# KiCad board 8851_HW-U1-VCU118_REV2-0_071417.kicad_pcb (continued)
## Routing (per net, layer and track width the routed paths; a pad name or vN(x,y) marks a point on that pad's centre or on a via; arc(x,y) is an arc through that point) (continued)
  14_SIG4 w0.138: 106.04,87.94 106.04,90.95 107.52,92.43 107.52,98.58 108.53,99.58 108.71,99.58 109.5,100.37 109.5,101.76 111.73,103.99 111.73,106.82 113.33,108.41 113.33,110.17 113.91,110.76 113.91,120.85 105.33,129.44 105.33,130.55 104.33,131.55 103.21,131.55 102.55,132.22 88.13,132.22 87.02,131.1 80.55,131.1 78.83,129.38 78.83,128.5 78.07,127.74 78.07,124.66 80.05,122.68 84.17,122.68 84.98,121.86 85.45,121.86
RLD3_C3_72B_DQ30: length 143.1
  TOP w0.15: U141.L6 v2(90.78,110.55) ; 96.2,75.14 v2(95.71,75.63)
  14_SIG4 w0.087: v2(95.71,75.63) 95.71,75.88 95.21,76.37 95.21,76.82 95.5,77.11 95.91,77.11 96.2,77.4 96.2,77.81 95.91,78.09 95.5,78.09 95.21,78.38 95.21,79.77 95.5,80.06 95.91,80.06 96.2,80.35 96.2,80.76 96.49,81.05 96.89,81.05 97.18,81.33 97.18,81.74 97.47,82.03 97.88,82.03 98.17,82.32 98.17,82.73 98.45,83.01 98.86,83.01 99.15,83.3 99.15,83.71 99.44,84 99.85,84 100.13,84.29 100.13,84.69 100.42,84.98 100.83,84.98 101.12,85.27 101.12,87.99 ; v2(90.78,110.55) 90.67,110.55 90.58,110.65 90.58,110.91 90.72,111.06 90.99,111.06 91.2,111.27 91.38,111.27 91.52,111.13 91.52,110.92 91.26,110.66 91.26,110.21 91.41,110.06 92.28,110.06 92.83,109.52 92.83,109.05 92.97,108.9 93.1,108.9 93.19,108.81 93.19,108.66 93.08,108.55 92.95,108.55 92.83,108.42 92.83,108.23 92.96,108.09 99.83,108.09 100.15,108.41 100.15,108.88 100.5,109.22
  14_SIG4 w0.138: 100.5,109.22 100.87,109.59 100.87,112.24 101.13,112.5 101.13,112.99 100.87,113.25 100.87,113.58 101.23,113.95 101.23,114.33 100.87,114.7 100.87,119.01 100.79,119.09 100.79,121.61 100.58,121.83 100.58,122.84 100.36,123.06 99.27,123.06 98.9,122.69 98.39,122.69 98.14,122.95 97.84,122.95 97.59,122.69 97.29,122.69 97.04,122.95 96.74,122.95 96.49,122.69 96.19,122.69 95.94,122.95 95.64,122.95 95.39,122.69 95.07,122.69 94.13,123.63 92.31,123.63 92.14,123.8 92.14,123.98 92.5,124.34 92.5,124.57 92.3,124.77 92.12,124.77 91.82,124.47 91.56,124.47 91.4,124.63 91.4,124.92 91.68,125.21 91.68,125.53 91.47,125.75 91.01,125.75 90.83,125.57 90.83,124.57 90.71,124.44 88.71,124.44 88.21,124.94 88.21,125.49 88.47,125.75 88.9,125.75 89.04,125.61 89.04,125.06 89.18,124.92 89.45,124.92 89.59,125.06 89.59,125.61 89.73,125.75 90.11,125.75 90.25,125.89 90.25,128.95 90.82,129.52 91.35,129.52 91.49,129.38 91.49,128.35 91.62,128.22 91.9,128.22 92.04,128.36 92.04,128.68 92.18,128.82 92.45,128.82 92.59,128.68 92.59,128.13 92.72,128 93,128 93.14,128.14 93.14,128.68 93.28,128.82 93.55,128.82 93.69,128.68 93.69,128.34 93.83,128.2 94.11,128.2 94.24,128.33 94.24,128.68 94.38,128.82 94.65,128.82 94.79,128.68 94.79,128.16 94.93,128.02 95.2,128.02 95.34,128.16 95.34,128.68 95.48,128.82 95.75,128.82 95.89,128.68 95.89,128.58 96.03,128.45 96.3,128.45 96.44,128.58 96.44,128.68 96.58,128.82 96.85,128.82 97.6,128.06 98.02,128.06 98.42,128.46 99.3,128.46 99.74,128.02 100.37,128.02 100.81,128.46 102.69,128.46 110.17,120.97 110.17,111.92 109.32,111.07 109.32,108.77 106.96,106.41 106.96,104.63 104.84,102.5 104.84,101.42 104.11,100.7 103.71,100.7 103.45,100.96 103.33,100.96 103.03,100.66 103.03,100.44 103.45,100.02 103.45,99.47 101.84,97.86 101.84,97.61 103.08,96.36 103.08,95.53 104.52,94.09 104.52,92.96 102.99,91.44 102.99,89.86 101.12,87.99
RLD3_C3_72B_DQ31: length 140.9
  TOP w0.15: U141.L4 v2(88.81,110.55) ; 95.21,77.11 v2(94.72,77.6)
  14_SIG4 w0.087: 92.42,106.75 91.08,108.09 90.56,108.09 90.28,108.38 90.28,109.77 89.99,110.06 88.59,110.06 88.32,110.33 88.32,110.84 88.47,111 88.71,111 88.81,110.9 v2(88.81,110.55) ; v2(94.72,77.6) 94.43,77.6 93.94,78.09 93.53,78.09 93,78.63 93,80.51 93.53,81.05 93.94,81.05 94.23,81.33 94.23,81.74 94.52,82.03 94.93,82.03 95.21,82.32 95.21,82.73 95.5,83.01 95.91,83.01 96.2,83.3 96.2,83.71 96.49,84 96.89,84 97.18,84.29 97.18,84.8 97.36,84.97 97.92,84.97 98.19,85.23 98.19,86.79 98,86.97 97.35,86.97 97.18,87.14 97.18,87.61 97.48,87.91 98.09,87.91
  14_SIG4 w0.138: 98.09,87.91 100.44,90.26 100.85,90.26 101.12,90.53 101.12,92.11 102.29,93.29 102.29,93.93 101.39,94.83 101.39,95.61 100.96,96.05 99.82,96.05 99.31,96.56 98.01,96.56 97.11,95.66 96.84,95.66 96.67,95.83 96.67,96.07 96.82,96.22 96.82,96.45 96.66,96.62 96.42,96.62 96.16,96.36 95.89,96.36 95.67,96.57 95.67,96.79 95.84,96.96 95.84,97.2 95.7,97.34 94.92,97.34 94.62,97.64 94.62,98.2 94.76,98.34 95.15,98.34 95.31,98.18 96.53,98.18 96.7,98.36 96.7,98.6 96.49,98.81 95.55,98.81 95.27,99.09 95.27,99.26 95.65,99.65 96.85,99.65 96.98,99.52 96.98,98.99 97.16,98.8 97.54,98.8 97.73,98.99 97.73,99.33 97.91,99.51 98.36,99.51 98.77,99.92 98.77,100.44 99.05,100.73 99.85,100.73 100.06,100.94 100.39,101.27 101.18,101.27 105.01,105.11 105.01,105.64 104.6,106.04 104.6,106.48 107.07,108.95 107.07,109.33 106.96,109.43 106.69,109.43 106.55,109.57 106.55,110.36 106.69,110.5 107.02,110.5 107.15,110.63 107.15,110.94 107.02,111.07 106.08,111.07 105.94,111.21 105.94,111.52 106.15,111.73 107.48,111.73 107.66,111.91 107.66,112.29 107.47,112.48 107.15,112.48 106.97,112.66 106.97,113.04 107.16,113.23 108.29,113.23 108.47,113.42 108.47,113.79 108.29,113.98 107.14,113.98 106.94,114.18 106.94,114.56 107.11,114.73 108.29,114.73 108.47,114.92 108.47,115.29 108.29,115.48 107.19,115.48 106.97,115.7 106.97,116.08 107.11,116.23 108.29,116.23 108.47,116.42 108.47,116.79 108.29,116.98 107.16,116.98 106.97,117.17 106.97,117.54 107.16,117.73 108.29,117.73 108.47,117.92 108.47,118.29 108.29,118.47 107.3,118.47 107.11,118.66 107.11,119.04 107.3,119.22 108.29,119.22 108.47,119.41 108.47,120.02 108.21,120.29 108.01,120.29 107.57,119.85 107.31,119.85 107.14,120.02 107.14,120.74 106.93,120.95 106.93,121.14 107.21,121.43 107.21,121.62 107.01,121.82 106.82,121.82 106.54,121.53 106.34,121.53 106.15,121.73 106.15,121.92 106.43,122.21 106.43,122.4 106.24,122.59 106.04,122.59 105.76,122.31 105.56,122.31 105.2,122.67 105.2,123.65 105,123.85 104.81,123.85 104.64,123.68 104.45,123.68 104.25,123.87 104.25,124.07 104.42,124.23 104.42,124.43 104.21,124.64 104.02,124.64 103.83,124.46 103.57,124.46 103.4,124.62 103.4,124.88 103.59,125.06 103.59,125.26 103.5,125.35 102.93,125.35 102.38,124.8 102.38,124.39 101.95,123.96 101.95,123.76 102.89,122.82 102.89,122.28 103.16,122.01 103.16,120.84 104.32,119.68 104.32,115.61 104.28,115.56 104.28,108.71 100.41,104.85 97.75,104.85 97.45,105.16 97.45,105.68 97.21,105.92 96.5,105.92 96.11,105.53 95.5,105.53 94.98,106.05 93.12,106.05 92.42,106.75
RLD3_C3_72B_DQ32: length 141
  TOP w0.15: 95.21,78.09 v2(94.72,78.59) ; U141.L2 v2(86.84,110.55)
  14_SIG4 w0.087: v2(86.84,110.55) 86.84,110.82 86.35,111.31 86.35,112.83 86.54,113.02 87.18,113.02 87.33,112.88 87.33,111.15 87.43,111.04 88.03,111.04 88.31,111.33 88.31,111.76 88.59,112.03 89.01,112.03 89.3,111.75 89.3,111.13 89.39,111.04 90,111.04 90.28,110.76 90.28,110.3 90.51,110.06 90.98,110.06 91.27,109.77 91.27,109.37 91.56,109.08 92.02,109.08 92.47,108.62 92.47,108.16 93.55,107.09 ; v2(94.72,78.59) 94.72,78.87 94.23,79.37 94.23,79.77 94.52,80.06 94.93,80.06 95.21,80.35 95.21,80.76 95.5,81.05 95.91,81.05 96.2,81.33 96.2,81.74 96.49,82.03 96.89,82.03 97.18,82.32 97.18,82.73 97.47,83.01 97.88,83.01 98.17,83.3 98.17,83.71 98.45,84 98.86,84 99.15,84.29 99.15,84.69 99.44,84.98 99.85,84.98 100.13,85.27 100.13,87.75
  14_SIG4 w0.138: 100.13,87.75 102.37,89.99 102.37,91.74 103.68,93.06 103.68,94.13 102.52,95.29 102.52,96.13 101.45,97.2 100.66,97.2 100.39,97.47 100.39,97.98 100.68,98.27 101.19,98.27 101.86,98.94 101.86,100.37 106.39,104.89 106.39,106.66 108.68,108.95 108.68,111.25 109.61,112.19 109.61,120.73 103.37,126.97 102.9,126.97 101.95,126.02 100.78,126.02 100.4,126.4 100.03,126.4 99.65,126.02 98.15,126.02 97.78,126.4 97.45,126.4 97.08,126.02 94.62,126.02 94.35,125.75 93.59,125.75 93.31,126.03 92.39,126.03 92.25,125.88 92.25,125.58 92.74,125.09 92.93,125.09 93.23,125.39 93.41,125.39 93.7,125.1 93.7,124.89 93.42,124.6 93.42,124.41 93.6,124.23 94.3,124.23 94.97,123.55 97.25,123.55 97.72,124.02 98.32,124.02 98.69,123.65 100.53,123.65 101.7,122.48 101.7,122.03 101.36,121.68 101.36,119.44 101.72,119.07 102.89,119.07 102.91,119.04 102.92,119.04 103.19,118.77 103.19,118.34 102.83,117.97 101.62,117.97 101.45,117.8 101.45,117.37 101.62,117.2 101.62,116.45 101.44,116.27 101.44,115.46 101.6,115.3 102.05,115.3 102.26,115.09 102.26,112.25 101.43,111.42 101.43,109.76 101.6,109.6 102.21,109.6 102.38,109.43 102.38,109.2 102.21,109.03 101.12,109.03 100.96,108.87 100.96,108.64 101.12,108.47 101.79,108.47 101.95,108.31 101.95,108.07 101.79,107.91 101.6,107.91 101.43,107.74 101.43,107.6 101.3,107.48 101.07,107.48 100.55,107.99 100.32,107.99 100.15,107.83 100.15,107.6 100.67,107.08 100.67,106.85 100.31,106.48 99.56,106.48 98.95,107.09 98.08,107.09 97.95,107.22 97.95,107.58 97.8,107.72 97.57,107.72 97.45,107.6 97.45,107.12 97.33,107 97.08,107 96.95,107.12 96.95,107.6 96.83,107.72 96.58,107.72 96.46,107.6 96.46,107.12 96.33,107 96.08,107 95.96,107.12 95.96,107.6 95.84,107.72 95.58,107.72 95.46,107.6 95.46,107.12 95.34,107 95.09,107 94.96,107.12 94.96,107.6 94.84,107.72 94.34,107.72 94.24,107.62 94.24,107.38 93.95,107.09 93.55,107.09
RLD3_C3_72B_DQ33: length 140.2
  TOP w0.15: U141.M5 v2(89.79,109.57) ; 95.21,76.12 v2(94.72,76.62)
  14_SIG4 w0.087: 93.13,82.65 93.52,83.03 93.98,83.03 94.24,83.3 94.24,83.73 94.5,84 94.93,84 95.21,84.27 95.22,84.27 95.22,85.86 95.37,86 95.81,86 96.1,86.29 96.1,86.62 95.84,86.89 94.8,86.89 ; 88.54,106.75 87.96,106.75 87.29,107.42 86.65,107.42 86.45,107.62 86.45,107.85 86.33,107.97 86.14,107.97 86.04,107.87 86.04,107.61 85.86,107.42 85.71,107.42 85.38,107.75 85.38,108.94 85.52,109.09 86.16,109.09 86.35,109.28 86.35,109.8 86.1,110.06 85.54,110.06 85.36,110.23 85.36,110.85 85.55,111.04 86.16,111.04 86.35,110.85 86.35,110.34 86.64,110.06 88.16,110.06 88.33,109.9 88.33,108.37 88.61,108.09 89.01,108.09 89.3,108.38 89.3,108.95 89.41,109.06 89.71,109.06 89.79,109.14 v2(89.79,109.57) ; 93.23,75.14 94.98,75.14 95.2,75.36 95.2,75.82 94.92,76.1 94.3,76.1 94.23,76.17 94.23,76.48 94.37,76.62 v2(94.72,76.62)
  14_SIG4 w0.138: 93.23,75.14 93.13,75.03 93.13,74.81 93.04,74.72 92.79,74.72 92.66,74.85 92.66,75.04 92.56,75.14 92.35,75.14 92.19,75.3 92.19,75.9 92.3,76.02 92.66,76.02 92.79,76.14 92.79,76.39 92.66,76.51 92.3,76.51 92.18,76.63 92.18,76.87 92.3,77 92.66,77 92.79,77.12 92.79,77.41 92.64,77.55 92.3,77.55 92.14,77.72 92.14,81.66 92.61,82.13 92.78,82.13 92.86,82.05 93.03,82.05 93.2,82.22 93.2,82.4 93.13,82.47 93.13,82.65 ; 88.54,106.75 89.4,105.89 89.4,105.51 89.73,105.18 90.09,105.18 90.26,105.02 90.26,104.93 90.42,104.77 90.65,104.77 90.82,104.93 90.82,105.02 90.98,105.18 91.84,105.18 92.11,104.91 92.11,104.63 91.96,104.49 91.96,104.32 92.33,103.94 92.52,103.94 92.76,104.18 92.98,104.18 93.44,103.72 100.88,103.72 102.24,105.08 102.51,105.08 102.81,104.78 102.81,104.5 101.24,102.92 100.85,102.92 100.66,102.74 100.66,102.6 100.48,102.42 100.1,102.42 99.91,102.6 99.91,102.91 99.75,103.08 99.37,103.08 99.16,102.87 99.16,102.06 98.99,101.89 98.62,101.89 98.41,102.09 98.41,102.89 98.23,103.08 97.85,103.08 97.66,102.89 97.66,101.51 97.48,101.33 97.11,101.33 96.91,101.52 96.91,102.9 96.73,103.09 96.35,103.09 96.16,102.9 96.16,101.72 96.02,101.57 95.64,101.57 95.41,101.8 95.41,102.93 95.24,103.11 94.86,103.11 94.66,102.91 94.66,102.25 94.49,102.08 94.12,102.08 93.91,102.28 93.91,102.89 93.78,103.02 92.32,103.02 92.16,102.86 92.16,102.47 92.33,102.29 93.28,102.29 93.41,102.16 93.41,101.77 93.21,101.57 92.53,101.57 92.44,101.48 92.44,100.94 92.58,100.81 93.39,100.81 93.61,100.59 93.61,99.79 93.46,99.64 92.94,99.64 92.77,99.47 92.77,99.1 92.98,98.89 93.29,98.89 93.47,98.7 93.47,96.99 95.42,95.04 95.42,94.41 95.59,94.25 99.74,94.25 99.91,94.08 99.91,93.85 99.74,93.69 95.59,93.69 95.42,93.52 95.42,93.29 95.59,93.12 99.74,93.12 99.91,92.96 99.91,92.73 99.74,92.56 95.59,92.56 95.42,92.4 95.42,92.16 95.59,92 99.74,92 99.91,91.83 99.91,91.6 99.74,91.44 99.22,91.44 99.05,91.27 99.05,90.51 98.89,90.35 98.66,90.35 98.49,90.51 98.49,91.27 98.33,91.44 98.09,91.44 97.93,91.27 97.93,90.3 97.73,90.11 97.5,90.11 97.37,90.24 97.37,91.27 97.2,91.44 96.97,91.44 96.8,91.27 96.8,89.33 96.57,89.09 96.33,89.09 96.17,89.26 96.17,91.34 96.08,91.44 95.59,91.44 95.42,91.27 95.42,89.2 95.21,88.99 94.85,88.99 94.7,88.84 94.7,88.59 94.8,88.5 96.08,88.5 96.21,88.37 96.21,88.01 96.11,87.91 95.41,87.91 95.3,87.8 95.3,87.66 95.19,87.55 95.04,87.55 94.93,87.66 94.93,87.8 94.82,87.91 94.65,87.91 94.53,87.79 94.53,87.16 94.8,86.89
RLD3_C3_72B_DQ34: length 140.1
  TOP w0.15: 94.23,77.11 v2(93.74,77.6) ; U141.M3 v2(87.82,109.57)
  14_SIG4 w0.087: v2(87.82,109.57) 87.82,109.32 87.59,109.09 86.63,109.09 86.35,108.81 86.35,108.37 86.62,108.09 88.2,108.09 88.32,107.97 88.32,107.36 88.6,107.08 89.15,107.08 89.3,107.22 89.3,107.97 89.42,108.09 90,108.09 90.28,107.81 90.28,107.16 90.19,107.08 89.72,107.08 89.6,106.95 89.6,106.75 ; 93.18,81.77 93.42,82 94.01,82 94.26,82.25 94.26,82.87 94.41,83.03 94.92,83.03 95.22,83.32 95.22,83.8 95.43,84.01 96.03,84.01 96.19,84.18 96.19,84.83 96.35,84.98 96.93,84.98 97.2,85.25 97.2,86.69 96.95,86.94 96.36,86.94 96.19,87.1 96.19,87.59 96.58,87.97 96.75,87.97
  14_SIG4 w0.138: v2(93.74,77.6) 93.3,77.6 92.65,78.25 92.65,81.24 92.77,81.35 92.92,81.35 93.07,81.21 93.22,81.21 93.33,81.31 93.33,81.47 93.18,81.61 93.18,81.77 ; 96.75,87.97 96.85,88.08 96.85,88.25 96.63,88.48 96.63,88.65 96.8,88.82 96.98,88.82 97.62,88.18 97.8,88.18 97.97,88.35 97.97,88.52 97.28,89.21 97.28,89.38 97.46,89.56 97.63,89.56 98.32,88.87 98.49,88.87 98.6,88.98 98.6,89.14 98.14,89.6 98.14,89.75 98.25,89.86 98.4,89.86 98.86,89.4 99.01,89.4 99.14,89.52 99.14,89.76 99.78,90.41 99.78,90.7 100.04,90.95 100.33,90.95 100.55,91.18 100.55,92.35 100.76,92.56 100.76,92.79 100.46,93.09 100.46,93.39 100.63,93.56 100.79,93.56 101.16,93.19 101.39,93.19 101.73,93.52 101.73,93.7 100.83,94.6 100.83,95.38 100.72,95.49 99.91,95.49 99.74,95.33 99.74,95.02 99.58,94.85 99.34,94.85 99.18,95.02 99.18,95.82 99.03,95.97 98.8,95.97 98.62,95.79 98.62,95.02 98.45,94.85 98.22,94.85 98.05,95.02 98.05,95.33 97.89,95.49 97.74,95.49 97.34,95.09 96.35,95.09 94.05,97.39 94.05,99.06 94.26,99.27 94.56,99.27 94.72,99.43 94.72,100.6 94.26,101.07 94.26,101.37 94.39,101.5 94.91,101.5 95.65,100.76 98.26,100.76 98.8,101.29 99.61,101.29 100.16,101.84 100.94,101.84 103.58,104.47 103.58,104.66 103.39,104.84 103.39,105.08 103.55,105.24 103.79,105.24 103.97,105.05 104.16,105.05 104.32,105.21 104.32,105.43 103.7,106.06 103.7,106.4 105.97,108.67 105.97,110.14 105.43,110.68 105.43,112.16 105.65,112.38 106.14,112.38 106.38,112.62 106.38,112.83 106.22,112.99 105.59,112.99 105.42,113.16 105.42,113.39 105.59,113.56 106.1,113.56 106.38,113.84 106.38,118.3 106.24,118.44 105.81,118.44 105.67,118.57 105.67,118.85 105.81,118.99 106.24,118.99 106.38,119.12 106.38,119.4 106.24,119.54 105.81,119.54 105.67,119.67 105.67,119.95 105.81,120.09 106.44,120.09 106.53,120.17 106.53,120.55 106.33,120.75 105.1,120.75 104.47,121.38 104.47,122.67 104.27,122.88 104.27,123.08 103.44,123.91 103.08,123.91 102.93,123.77 102.93,123.57 103.45,123.06 103.45,122.55 103.73,122.28 103.73,121.07 104.99,119.8 104.99,118.11 105.18,117.92 105.54,117.92 105.72,117.74 105.72,117.54 105.54,117.35 105.2,117.35 104.99,117.14 104.99,116.61 105.18,116.42 105.54,116.42 105.72,116.24 105.72,115.86 105.54,115.67 105.18,115.67 104.84,115.33 104.84,108.48 100.65,104.29 97.19,104.29 97.06,104.42 97.06,104.74 96.85,104.95 96.49,104.95 96.33,104.79 96.33,104.46 96.16,104.3 95.93,104.3 95.77,104.46 95.77,104.79 95.6,104.95 95.37,104.95 95.2,104.79 95.2,104.46 95.04,104.3 94.81,104.3 94.64,104.46 94.64,104.79 94.48,104.95 94.24,104.95 94.08,104.79 94.08,104.46 93.91,104.3 93.68,104.3 93.52,104.46 93.52,104.79 93.43,104.87 93.01,104.87 92.41,105.47 92.41,105.97 92.1,106.27 91.79,106.27 91.61,106.46 91.61,106.96 91.44,107.12 90.97,107.12 90.86,107.01 90.86,106.46 90.67,106.27 89.85,106.27 89.6,106.52 89.6,106.75
RLD3_C3_72B_DQ35: length 141.8
  TOP w0.15: U141.N6 v2(90.78,108.58) ; 94.23,75.14 v2(93.74,75.63)
  14_SIG4 w0.087: v2(93.74,75.63) 93.57,75.46 93.21,75.46 93.12,75.55 93.12,77.01 93.22,77.11 95.12,77.11 95.21,77.2 95.21,78.01 95.13,78.09 94.36,78.09 94.23,78.22 94.23,78.95 94.11,79.08 93.53,79.08 93.25,79.37 93.25,79.77 93.53,80.06 93.94,80.06 94.23,80.35 94.23,80.76 94.52,81.05 94.93,81.05 95.21,81.33 95.21,81.76 95.48,82.03 95.91,82.03 96.2,82.32 96.2,82.73 96.49,83.01 96.89,83.01 97.18,83.3 97.18,83.71 97.47,84 97.88,84 98.17,84.29 98.17,84.69 98.45,84.98 98.86,84.98 99.15,85.27 99.15,87.65 ; 95.38,106.62 93.53,106.62 92.1,108.05 91.58,108.05 91.04,108.58 v2(90.78,108.58)
  14_SIG4 w0.138: 99.15,87.65 98.88,87.92 98.88,88.22 99.14,88.47 99.32,88.47 99.75,88.04 99.93,88.04 100.21,88.32 100.21,88.82 101.68,90.29 101.68,91.88 102.85,93.06 102.85,94.17 101.96,95.06 101.96,95.85 101.19,96.62 100.14,96.62 99.62,97.13 97.74,97.13 97.47,96.86 97.33,96.86 97.04,97.15 97.04,97.34 97.42,97.73 97.42,98.04 97.61,98.22 98.41,98.22 98.58,98.39 98.58,98.89 98.74,99.05 98.98,99.05 99.14,98.89 99.14,98.39 99.31,98.22 99.62,98.22 100.24,98.85 100.98,98.85 101.16,99.04 101.16,99.41 100.98,99.6 100.63,99.6 100.39,99.84 100.39,100.48 100.62,100.71 101.41,100.71 105.8,105.1 105.8,105.7 105.39,106.11 105.39,106.47 107.67,108.75 107.67,111.1 109.05,112.47 109.05,120.53 103.55,126.02 102.88,126.02 101.81,124.96 101.81,124.71 101.6,124.5 101.4,124.5 101.26,124.64 101.26,125.34 101.13,125.48 100.85,125.48 100.71,125.34 100.71,124.91 100.55,124.75 100.3,124.75 100.16,124.89 100.16,125.34 100.03,125.48 99.75,125.48 99.61,125.34 99.61,124.91 99.45,124.75 99.2,124.75 99.06,124.89 99.06,125.34 98.93,125.48 98.65,125.48 98.51,125.34 98.51,125.16 98.38,125.02 98.1,125.02 97.96,125.16 97.96,125.34 97.83,125.48 97.09,125.48 96.96,125.35 96.96,124.85 96.84,124.73 96.56,124.73 96.41,124.88 96.41,125.29 96.24,125.45 95.48,125.45 95.38,125.35 95.38,125 96.32,124.07 97.04,124.07 97.51,124.54 98.58,124.54 98.91,124.21 100.71,124.21 101.79,123.13 101.79,123.13 102.33,122.59 102.33,121.62 102.55,121.4 102.55,119.89 102.77,119.67 103.45,119.67 103.76,119.37 103.76,117.77 103.56,117.58 103.28,117.58 102.97,117.27 102.97,117.12 103.14,116.96 103.54,116.96 103.7,116.8 103.7,116.56 103.54,116.4 103.14,116.4 102.97,116.23 102.97,116 103.14,115.84 103.54,115.84 103.7,115.67 103.7,115.44 103.54,115.27 103.14,115.27 102.97,115.11 102.97,114.88 103.14,114.71 103.54,114.71 103.7,114.55 103.7,114.31 103.54,114.15 103.14,114.15 102.97,113.98 102.97,113.75 103.14,113.59 103.54,113.59 103.7,113.42 103.7,113.19 103.54,113.02 103.14,113.02 102.97,112.86 102.97,112.62 103.14,112.46 103.54,112.46 103.7,112.3 103.7,112.06 103.54,111.9 103.14,111.9 102.97,111.73 102.97,111.5 103.14,111.34 103.54,111.34 103.7,111.17 103.7,110.94 103.54,110.77 102.21,110.77 102.03,110.58 102.03,110.35 102.16,110.21 103.54,110.21 103.7,110.05 103.7,109.81 103.54,109.65 103.14,109.65 102.97,109.48 102.97,108.21 100.18,105.41 99.46,105.41 98.37,106.5 95.5,106.5 95.38,106.62
RLD3_C3_72B_DQ36: length 122
  TOP w0.15: 108.99,65.3 v2(108.5,65.79) ; 77.58,110.89 v2(78.07,110.4)
  14_SIG4 w0.087: v2(108.5,65.79) 108.01,66.28 107.31,66.28 107.02,65.99 107.02,65.4 106.04,64.42 106.04,63.62 105.75,63.33 99.45,63.33 99.15,63.62 99.15,64.17 98.95,64.38 93.62,64.38 92.9,63.66 ; v2(78.07,110.4) 77.72,110.4 77.58,110.27 77.58,109.21 77.29,108.92 76.89,108.92 76.6,108.63 76.6,107.13 76.57,107.1
  14_SIG4 w0.138: 76.57,107.1 76.57,107.09 75.14,105.66 74.15,105.66 73.99,105.5 73.99,103.24 74.28,102.95 74.79,102.95 74.96,102.77 74.96,101.86 74.73,101.62 74.35,101.62 74.12,101.4 74.12,100.83 74.67,100.28 75.03,100.28 75.03,100.28 75.88,100.28 76.55,99.62 76.55,98.47 76.88,98.15 80.19,98.15 80.88,97.46 80.88,94.15 80.35,93.62 77.44,93.62 77.26,93.44 77.26,93.19 77.07,93 76.69,93 76.51,93.19 76.51,93.44 76.32,93.62 75.94,93.62 75.76,93.44 75.76,93.19 75.57,93 75.19,93 75.01,93.19 75.01,93.44 74.82,93.62 73.92,93.62 73.12,92.83 73.12,89.58 71.6,88.05 68.4,88.05 68.03,87.67 68.03,86.91 68.21,86.72 68.82,86.72 69.01,86.53 69.01,86.16 68.82,85.97 68.21,85.97 68.03,85.78 68.03,84.52 68.28,84.27 70.38,84.27 70.79,83.86 70.79,79.88 71.07,79.6 72.42,79.6 73.16,78.87 73.16,75.78 72.15,74.77 68.42,74.77 68.17,74.52 68.17,72.22 68.46,71.94 70.19,71.94 71.75,70.38 80.47,70.38 80.94,69.91 80.94,66.89 81.26,66.57 81.95,66.57 82.92,65.6 82.92,64.63 83.42,64.12 84.34,64.12 86.03,62.43 88.38,62.43 89.54,63.6 92.84,63.6 92.9,63.66
RLD3_C3_72B_DQ37: length 121.6
  TOP w0.15: 108.01,65.3 v2(107.52,65.79) ; 76.6,111.88 v2(77.09,111.38)
  14_SIG4 w0.087: 92.9,62.9 93.33,63.33 98.88,63.33 99.15,63.05 99.15,62.6 99.4,62.35 105.75,62.35 106.04,62.63 106.04,63.04 106.03,63.05 106.3,63.33 106.74,63.33 107.02,63.62 107.02,64.35 107.52,64.84 v2(107.52,65.79) ; 75.61,107.1 75.62,107.11 75.62,108.23 75.61,108.63 75.9,108.92 76.31,108.92 76.6,109.21 76.6,109.62 76.6,109.62 76.6,110.6 77.09,111.1 v2(77.09,111.38)
  14_SIG4 w0.138: 92.9,62.9 89.97,62.9 88.82,61.75 85.75,61.75 84.58,62.91 82.94,62.91 82.22,63.62 82.22,65.08 81.88,65.42 81.33,65.42 80.3,66.45 80.3,69.5 80.05,69.75 71.35,69.75 70.35,70.75 67.83,70.75 67.38,71.2 67.38,75.15 67.7,75.47 71.97,75.47 72.45,75.95 72.45,78.83 72.25,79.02 70.33,79.02 70.17,79.18 70.17,79.38 69.99,79.57 69.56,79.57 69.37,79.76 69.37,80.13 69.56,80.32 69.99,80.32 70.17,80.51 70.17,83.45 69.88,83.75 67.88,83.75 67.38,84.25 67.38,88.25 67.78,88.65 71.33,88.65 72.58,89.9 72.58,93.17 73.67,94.27 80.04,94.27 80.3,94.54 80.3,97.25 80,97.55 76.27,97.55 75.85,97.97 75.85,99.02 75.39,99.49 74.16,99.49 73.41,100.24 73.41,105.7 73.42,105.71 73.42,105.73 73.92,106.22 74.73,106.22 75.61,107.1
RLD3_C3_72B_DQ38: length 118.3
  TOP w0.15: v2(107.52,68.74) 108.01,68.25 ; 78.57,113.85 v2(79.06,113.35)
  14_SIG4 w0.087: v2(79.06,113.35) 79.54,113.84 82.28,113.84 ; v2(107.52,68.74) 107.52,69.04 108,69.52 108,69.95 108.26,70.2 110.68,70.2 110.98,69.9 110.98,69.37 111.13,69.22 111.81,69.22 111.95,69.07 111.95,65.4 111.8,65.25 111.37,65.25 111.23,65.11 111.23,64.86 111.33,64.76 111.8,64.76 111.93,64.64 111.93,60.55 112.09,60.38 113.7,60.38 113.9,60.58 113.9,64.22 113.73,64.39 113.52,64.39 113.41,64.51 113.41,64.8 113.3,64.9 113.15,64.9 113.04,64.8 113.04,64.41 112.92,64.29 112.46,64.29 112.37,64.39 112.37,65.2 112.47,65.31 113.72,65.31 113.9,65.49 113.9,66.09 113.72,66.27 113.11,66.27 112.94,66.44 112.94,67.03 113.17,67.26 113.77,67.26 113.9,67.39 113.9,68.11 113.75,68.26 113.11,68.26 112.94,68.42 112.94,69.11 113.05,69.22 113.75,69.22 113.9,69.37 113.9,70 113.69,70.2 111.26,70.2 110.94,70.52 110.94,70.91 110.94,70.91 110.94,70.92 110.65,71.21 107.3,71.21 107,70.91 107,70.39 106.85,70.24 104.38,70.24 104.06,69.92 104.06,69.51 103.81,69.26 103.78,69.26 103.78,69.26 103.43,69.26 103.09,68.92 103.09,68.57 102.77,68.25 101.35,68.25 101.12,68.48 101.12,69.02 100.9,69.24 100.42,69.24 100.13,69.52 100.13,69.97 99.89,70.22 92.96,70.22 92.9,70.16
  14_SIG4 w0.138: 92.9,70.16 91.97,69.24 90.07,69.24 88.94,70.36 88.64,70.36 88.28,70.73 88.28,89.55 90.88,92.16 90.88,94.85 88.47,97.25 88.47,98 89.23,98.76 89.23,99.07 88.43,99.87 88.43,101.47 83.3,106.6 83.3,107.13 83.02,107.4 83.02,113.48 82.66,113.84 82.28,113.84
RLD3_C3_72B_DQ39: length 118.2
  TOP w0.15: 78.57,111.88 v2(79.06,111.38) ; v2(106.53,68.74) 107.02,68.25
  14_SIG4 w0.087: v2(106.53,68.74) 106.08,68.74 106.02,68.81 106.02,69.17 106.1,69.25 106.94,69.25 107.05,69.14 107.05,68.41 106.89,68.25 104.19,68.25 104.07,68.13 104.07,67.49 103.85,67.27 103.32,67.27 103.09,67.03 103.09,66.48 102.89,66.28 101.35,66.28 101.1,66.53 101.1,67.03 100.85,67.28 100.35,67.28 100.12,67.5 100.12,68 99.88,68.25 92.9,68.25 ; 81.52,107.1 81.52,110.77 81.4,110.89 80.65,110.89 80.52,111.01 80.52,111.74 80.38,111.88 79.74,111.88 79.56,111.71 79.56,111.49 79.46,111.38 v2(79.06,111.38)
  14_SIG4 w0.138: 92.9,68.25 92.82,68.25 91.84,67.27 90.36,67.27 88.46,69.17 86.13,69.17 85.94,69.37 85.94,69.65 86.13,69.84 86.62,69.84 86.81,70.03 86.81,70.4 86.62,70.59 86.22,70.59 86.03,70.77 86.03,71.18 86.22,71.37 86.47,71.37 86.65,71.56 86.65,72.31 86.46,72.5 85.57,72.5 85.1,72.97 85.1,74.1 84.55,74.65 84.55,75.31 84.71,75.48 85.07,75.48 85.21,75.34 85.21,74.82 85.3,74.73 85.68,74.73 85.83,74.88 85.83,75.88 85.67,76.04 84.71,76.04 84.55,76.21 84.55,76.44 84.71,76.6 85.67,76.6 85.84,76.77 85.84,77 85.68,77.16 84.57,77.16 84.41,77.33 84.41,77.56 84.57,77.73 85.68,77.73 85.84,77.89 85.84,78.12 85.66,78.29 84.71,78.29 84.55,78.46 84.55,78.74 84.71,78.9 86.04,78.9 86.21,79.07 86.21,79.3 86.05,79.46 84.71,79.46 84.55,79.63 84.55,79.86 84.71,80.02 86.06,80.02 86.21,80.18 86.21,80.41 86.04,80.59 84.71,80.59 84.55,80.75 84.55,80.99 84.71,81.15 86.14,81.15 86.3,81.31 86.3,81.55 86.14,81.71 84.71,81.71 84.55,81.88 84.55,82.11 84.71,82.27 86.21,82.27 86.34,82.41 86.34,82.64 86.15,82.84 84.71,82.84 84.55,83 84.55,83.24 84.71,83.4 86.18,83.4 86.33,83.55 86.33,83.78 86.15,83.96 84.71,83.96 84.55,84.13 84.55,84.65 84.75,84.85 85.88,84.85 86.11,85.08 86.11,89.53 86.27,89.7 86.61,89.7 86.78,89.86 86.78,90.09 86.61,90.26 86.27,90.26 86.11,90.42 86.11,91.69 85.39,92.41 84.73,92.41 84.51,92.63 84.51,93 84.84,93.32 84.84,93.76 84.51,94.09 84.51,94.75 84.67,94.91 84.99,94.91 85.19,95.11 85.19,95.48 85,95.66 84.66,95.66 84.52,95.8 84.52,96.41 84.62,96.5 84.96,96.5 85.74,95.73 85.98,95.73 86.17,95.91 86.17,96.28 85.19,97.25 84.8,97.25 84.51,97.54 84.51,97.99 84.66,98.14 85.25,98.14 85.42,98.31 85.42,98.85 84.81,99.47 84.81,99.68 84.89,99.76 85.83,99.76 86.03,99.96 86.03,100.32 85.84,100.51 84.93,100.51 84.81,100.64 84.81,101.2 84.99,101.39 85.14,101.39 85.33,101.58 85.33,101.95 85.14,102.14 84.99,102.14 84.81,102.33 84.81,102.73 84.57,102.96 84.31,102.96 84.13,102.79 83.86,102.79 83.6,103.05 83.6,103.32 83.78,103.49 83.78,103.76 83.51,104.02 83.25,104.02 82.77,103.55 82.47,103.55 82.22,103.79 82.22,104.06 82.72,104.55 82.72,104.82 82.45,105.08 82.19,105.08 81.83,104.73 81.66,104.73 81.52,104.87 81.52,105.57 81.33,105.75 81.27,105.75 81.27,105.76 81.05,105.97 81.05,106.32 81.24,106.5 81.33,106.5 81.52,106.69 81.52,107.1
